# Altium PCB ESP32_Demo.PcbDoc (part 5 of 7) (continued)
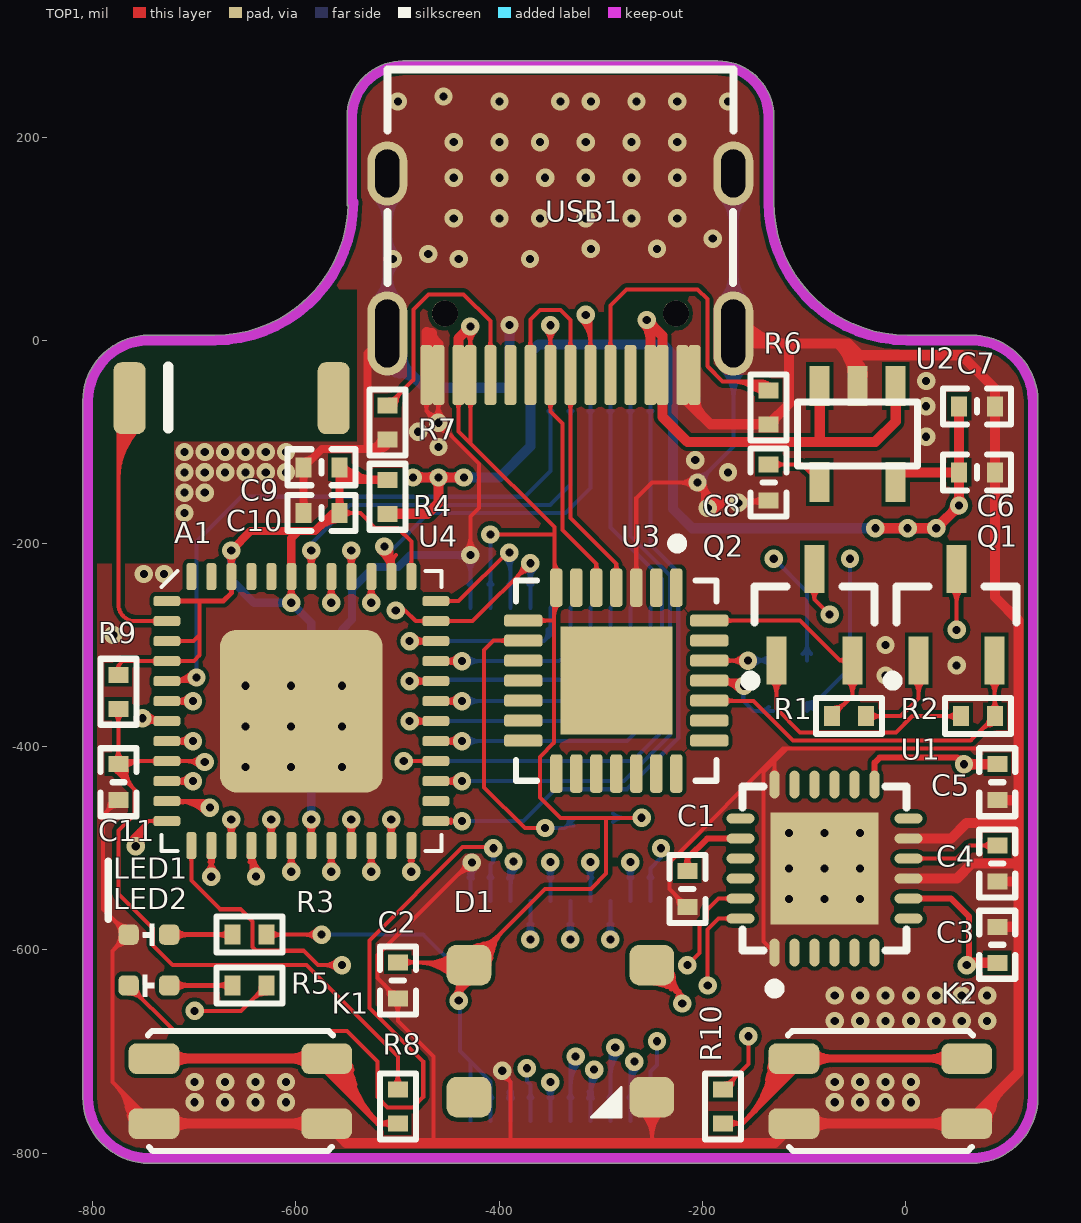
[diagram p0: TOP1 view]
## Nets (pads, with @x,y where several pads share a name; then routed paths per layer and width w, separated by ;. In a path a pad name is that pad's centre, name@x,y a point inside that pad or via, vN(x,y) a via of type N, cw(c..) or ccw(c..) an arc to the next point about the centre after c; other vN are vias at no path point) (continued)
  MidLayer3 w4: v1@-688.3,-532.95 cw(c-700.25,-544.9) -683.36,-544.9 cw(c-666.46,-544.9) v1@-678.41,-532.95 ; v1(-683.36,-528) -683.36,-548.54 -542.89,-689 -365.77,-689 -357.77,-681 -288.77,-681 -284.77,-685 ; v1@-287.93,-689.34 ccw(c-289.33,-685) -284.77,-685 ; v1(-285.77,-696) -284.77,-695 -284.77,-685 ; v1@-281.98,-690.11 cw(c-278.69,-685) -284.77,-685
  BOTTOM4 w4: P2.3@-290.56,-768.27 -290.56,-700.79 v1(-285.77,-696) ; -290.56,-724.46 cw(c-257.32,-724.46) v1@-280.82,-700.95 ; -290.56,-714.8 cw(c-266.97,-714.8) v1@-283.65,-698.12 ; -290.56,-705.14 cw(c-276.63,-705.14) v1@-286.48,-695.29 ; P2.3@-292.63,-745.53 ccw(c-297.61,-740.55) -290.56,-740.55 ; P2.3@-292.63,-745.53 ccw(c-297.61,-740.55) -290.56,-740.55 ; P2.3@-292.63,-745.53 ccw(c-297.61,-740.55) -290.56,-740.55 ; P2.3@-292.63,-745.53 ccw(c-297.61,-740.55) -290.56,-740.55 ; P2.3@-292.63,-745.53 ccw(c-297.61,-740.55) -290.56,-740.55 ; P2.3@-292.63,-745.53 ccw(c-297.61,-740.55) -290.56,-740.55 ; -290.56,-740.55 ccw(c-283.51,-740.55) P2.3@-288.49,-745.53 ; -290.56,-740.55 ccw(c-283.51,-740.55) P2.3@-288.49,-745.53 ; -290.56,-740.55 ccw(c-283.51,-740.55) P2.3@-288.49,-745.53 ; -290.56,-740.55 ccw(c-283.51,-740.55) P2.3@-288.49,-745.53 ; -290.56,-740.55 ccw(c-283.51,-740.55) P2.3@-288.49,-745.53 ; -290.56,-740.55 ccw(c-283.51,-740.55) P2.3@-288.49,-745.53
GPIO26: P2.1 U4.15 | length 942.7
  TOP1 w4: v1@-668.62,-476.54 cw(c-680.57,-488.49) -663.67,-488.49 cw(c-646.77,-488.49) v1@-658.72,-476.54 ; U4.15@-665.74,-486.95 ccw(c-670.72,-481.96) -663.67,-481.96 ccw(c-656.62,-481.96) U4.15@-661.6,-486.95 ; -665.28,-482.48 ccw(c-658.91,-480.78) U4.15@-662.21,-486.49 ; U4.15@-663.67,-497.38 v1(-663.67,-471.59) ; -662.06,-482.48 cw(c-668.43,-480.78) U4.15@-665.13,-486.49 ; U4.15@-665.13,-486.49 ccw(c-667.89,-481.7) -662.56,-483.13 ; U4.15@-665.13,-486.49 ccw(c-667.89,-481.7) -662.56,-483.13 ; U4.15@-665.13,-486.49 ccw(c-667.89,-481.7) -662.56,-483.13 ; U4.15@-665.13,-486.49 ccw(c-667.89,-481.7) -662.56,-483.13 ; U4.15@-665.13,-486.49 ccw(c-667.89,-481.7) -662.56,-483.13 ; U4.15@-665.13,-486.49 ccw(c-667.89,-481.7) -662.56,-483.13 ; U4.15@-665.13,-486.49 ccw(c-667.89,-481.7) -662.56,-483.13 ; U4.15@-665.13,-486.49 ccw(c-667.89,-481.7) -662.56,-483.13 ; U4.15@-665.13,-486.49 ccw(c-667.89,-481.7) -662.56,-483.13 ; -664.78,-483.13 ccw(c-659.45,-481.7) U4.15@-662.21,-486.49 ; -664.78,-483.13 ccw(c-659.45,-481.7) U4.15@-662.21,-486.49 ; -664.78,-483.13 ccw(c-659.45,-481.7) U4.15@-662.21,-486.49 ; -664.78,-483.13 ccw(c-659.45,-481.7) U4.15@-662.21,-486.49 ; -664.78,-483.13 ccw(c-659.45,-481.7) U4.15@-662.21,-486.49 ; -664.78,-483.13 ccw(c-659.45,-481.7) U4.15@-662.21,-486.49 ; -664.78,-483.13 ccw(c-659.45,-481.7) U4.15@-662.21,-486.49 ; -664.78,-483.13 ccw(c-659.45,-481.7) U4.15@-662.21,-486.49 ; -664.78,-483.13 ccw(c-659.45,-481.7) U4.15@-662.21,-486.49
  MidLayer3 w4: v1@-668.62,-476.54 cw(c-696.09,-504.02) -657.24,-504.02 ; v1@-665.79,-473.72 cw(c-686.44,-494.36) -657.24,-494.36 ; v1(-663.67,-471.59) -657.24,-478.02 -657.24,-552.02 -536.26,-673 -372.39,-673 -364.39,-665 -282.14,-665 -257.14,-690 ; v1@-662.96,-470.89 cw(c-676.78,-484.7) -657.24,-484.7 ; v1@-250.77,-693.61 ccw(c-257.14,-697.43) -257.14,-690 ; v1@-250.77,-686.39 cw(c-257.14,-682.57) -257.14,-690 ; v1(-244.77,-690) -257.14,-690
  BOTTOM4 w4: P2.1@-251.19,-768.27 -251.19,-719.73 -244.77,-713.31 v1(-244.77,-690) ; P2.1@-253.26,-745.53 ccw(c-258.24,-740.55) -251.19,-740.55 ; P2.1@-253.26,-745.53 ccw(c-258.24,-740.55) -251.19,-740.55 ; P2.1@-253.26,-745.53 ccw(c-258.24,-740.55) -251.19,-740.55 ; P2.1@-253.26,-745.53 ccw(c-258.24,-740.55) -251.19,-740.55 ; P2.1@-253.26,-745.53 ccw(c-258.24,-740.55) -251.19,-740.55 ; P2.1@-253.26,-745.53 ccw(c-258.24,-740.55) -251.19,-740.55 ; -251.19,-740.55 ccw(c-244.14,-740.55) P2.1@-249.12,-745.53 ; -251.19,-740.55 ccw(c-244.14,-740.55) P2.1@-249.12,-745.53 ; -251.19,-740.55 ccw(c-244.14,-740.55) P2.1@-249.12,-745.53 ; -251.19,-740.55 ccw(c-244.14,-740.55) P2.1@-249.12,-745.53 ; -251.19,-740.55 ccw(c-244.14,-740.55) P2.1@-249.12,-745.53 ; -251.19,-740.55 ccw(c-244.14,-740.55) P2.1@-249.12,-745.53
GPIO27: P2.20 U4.16 | length 1101.1
  TOP1 w4: -643.98,-519.08 ccw(c-630.71,-519.08) v1@-640.1,-528.47 ; U4.16@-643.98,-509.43 ccw(c-621.05,-509.43) v1@-637.27,-525.64 ; U4.16@-643.98,-499.77 ccw(c-611.39,-499.77) v1@-634.44,-522.82 ; U4.16@-643.98,-497.38 -643.98,-523.17 v1(-639.39,-527.77) ; -642.48,-515.03 cw(c-632.53,-512.36) U4.16@-641.46,-507.21 ; U4.16@-646.51,-507.21 cw(c-653.95,-511.5) -645.66,-513.72 ; U4.16@-646.51,-507.21 cw(c-653.95,-511.5) -645.66,-513.72 ; U4.16@-646.51,-507.21 cw(c-653.95,-511.5) -645.66,-513.72 ; U4.16@-646.51,-507.21 cw(c-653.95,-511.5) -645.66,-513.72 ; U4.16@-646.51,-507.21 cw(c-653.95,-511.5) -645.66,-513.72 ; U4.16@-646.51,-507.21 cw(c-653.95,-511.5) -645.66,-513.72 ; U4.16@-646.51,-507.21 cw(c-653.95,-511.5) -645.66,-513.72 ; U4.16@-646.51,-507.21 cw(c-653.95,-511.5) -645.66,-513.72 ; U4.16@-646.51,-507.21 cw(c-653.95,-511.5) -645.66,-513.72 ; U4.16@-646.05,-507.81 cw(c-651.04,-512.8) -643.98,-512.8 ; U4.16@-646.05,-507.81 cw(c-651.04,-512.8) -643.98,-512.8 ; U4.16@-646.05,-507.81 cw(c-651.04,-512.8) -643.98,-512.8 ; U4.16@-646.05,-507.81 cw(c-651.04,-512.8) -643.98,-512.8 ; U4.16@-646.05,-507.81 cw(c-651.04,-512.8) -643.98,-512.8 ; U4.16@-646.05,-507.81 cw(c-651.04,-512.8) -643.98,-512.8 ; U4.16@-645.45,-508.28 cw(c-648.21,-513.06) -642.87,-511.63 ; U4.16@-645.45,-508.28 cw(c-648.21,-513.06) -642.87,-511.63 ; U4.16@-645.45,-508.28 cw(c-648.21,-513.06) -642.87,-511.63 ; U4.16@-645.45,-508.28 cw(c-648.21,-513.06) -642.87,-511.63 ; U4.16@-645.45,-508.28 cw(c-648.21,-513.06) -642.87,-511.63 ; U4.16@-645.45,-508.28 cw(c-648.21,-513.06) -642.87,-511.63 ; U4.16@-645.45,-508.28 cw(c-648.21,-513.06) -642.87,-511.63 ; U4.16@-645.45,-508.28 cw(c-648.21,-513.06) -642.87,-511.63 ; U4.16@-645.45,-508.28 cw(c-648.21,-513.06) -642.87,-511.63 ; -645.1,-511.63 cw(c-639.76,-513.06) U4.16@-642.52,-508.28 ; -645.1,-511.63 cw(c-639.76,-513.06) U4.16@-642.52,-508.28 ; -645.1,-511.63 cw(c-639.76,-513.06) U4.16@-642.52,-508.28 ; -645.1,-511.63 cw(c-639.76,-513.06) U4.16@-642.52,-508.28 ; -645.1,-511.63 cw(c-639.76,-513.06) U4.16@-642.52,-508.28 ; -645.1,-511.63 cw(c-639.76,-513.06) U4.16@-642.52,-508.28 ; -645.1,-511.63 cw(c-639.76,-513.06) U4.16@-642.52,-508.28 ; -645.1,-511.63 cw(c-639.76,-513.06) U4.16@-642.52,-508.28 ; -645.1,-511.63 cw(c-639.76,-513.06) U4.16@-642.52,-508.28 ; -643.98,-512.8 cw(c-636.93,-512.8) U4.16@-641.92,-507.81 ; -643.98,-512.8 cw(c-636.93,-512.8) U4.16@-641.92,-507.81 ; -643.98,-512.8 cw(c-636.93,-512.8) U4.16@-641.92,-507.81 ; -643.98,-512.8 cw(c-636.93,-512.8) U4.16@-641.92,-507.81 ; -643.98,-512.8 cw(c-636.93,-512.8) U4.16@-641.92,-507.81 ; -642.31,-513.72 cw(c-634.02,-511.5) U4.16@-641.46,-507.21 ; -642.31,-513.72 cw(c-634.02,-511.5) U4.16@-641.46,-507.21 ; -642.31,-513.72 cw(c-634.02,-511.5) U4.16@-641.46,-507.21 ; -642.31,-513.72 cw(c-634.02,-511.5) U4.16@-641.46,-507.21 ; -642.31,-513.72 cw(c-634.02,-511.5) U4.16@-641.46,-507.21 ; -642.31,-513.72 cw(c-634.02,-511.5) U4.16@-641.46,-507.21 ; -642.31,-513.72 cw(c-634.02,-511.5) U4.16@-641.46,-507.21 ; -642.31,-513.72 cw(c-634.02,-511.5) U4.16@-641.46,-507.21
  MidLayer3 w4: v1@-644.34,-532.72 cw(c-656.29,-544.66) -639.39,-544.66 cw(c-622.49,-544.66) v1@-634.44,-532.72 ; v1(-639.39,-527.77) -639.39,-558.56 -628.64,-569.31 -553.04,-569.31 -521.36,-601 -466.25,-601 -422.25,-645 -308.46,-645 -240.77,-577.31 v1(-240.77,-499.98) ; v1@-245.72,-504.93 cw(c-257.67,-516.88) -240.77,-516.88 cw(c-223.87,-516.88) v1@-235.82,-504.93
  BOTTOM4 w4: P2.20@-251.19,-551.73 -251.19,-519.69 -240.77,-509.27 ; v1@-242.71,-506.7 cw(c-243.44,-509.27) -240.77,-509.27 ; v1(-240.77,-499.98) -240.77,-509.27 ; v1@-238.84,-506.7 ccw(c-238.1,-509.27) -240.77,-509.27 ; P2.20@-253.26,-529 ccw(c-258.24,-524.01) -251.19,-524.01 ; P2.20@-253.26,-529 ccw(c-258.24,-524.01) -251.19,-524.01 ; P2.20@-253.26,-529 ccw(c-258.24,-524.01) -251.19,-524.01 ; P2.20@-253.26,-529 ccw(c-258.24,-524.01) -251.19,-524.01 ; P2.20@-253.26,-529 ccw(c-258.24,-524.01) -251.19,-524.01 ; P2.20@-253.26,-529 ccw(c-258.24,-524.01) -251.19,-524.01 ; -251.19,-524.01 ccw(c-244.14,-524.01) P2.20@-249.12,-529 ; -251.19,-524.01 ccw(c-244.14,-524.01) P2.20@-249.12,-529 ; -251.19,-524.01 ccw(c-244.14,-524.01) P2.20@-249.12,-529 ; -251.19,-524.01 ccw(c-244.14,-524.01) P2.20@-249.12,-529 ; -251.19,-524.01 ccw(c-244.14,-524.01) P2.20@-249.12,-529 ; -251.19,-524.01 ccw(c-244.14,-524.01) P2.20@-249.12,-529
GPIO32: U1.24 U4.12 | length 1288.1
  TOP1 w4: v1@-762.57,-499.42 cw(c-751.07,-496.02) -759.55,-487.54 ; v1@-762.07,-492.48 ccw(c-765.74,-487.77) -759.77,-487.77 ; v1@-758.73,-498.28 cw(c-743.72,-493.85) -754.79,-482.79 ; v1(-757.77,-498) -759.77,-500 -759.77,-487.77 ; v1@-756.88,-491.06 cw(c-756.46,-487.77) -759.77,-487.77 ; v1@-754.9,-497.15 cw(c-736.38,-491.68) -750.03,-478.03 ; v1@-751.06,-496.02 cw(c-729.03,-489.51) -745.27,-473.27 ; U4.12@-727.15,-473.27 -745.27,-473.27 ; v1(-194.77,-635) -194.77,-580 -183.98,-569.21 U1.24@-162.45,-569.21 ; -759.77,-487.77 -745.27,-473.27 ; -742.57,-473.27 cw(c-742.57,-480.32) U4.12@-737.59,-475.33 ; -742.57,-473.27 ccw(c-742.57,-466.22) U4.12@-737.59,-471.2 ; -742.57,-473.27 cw(c-742.57,-480.32) U4.12@-737.59,-475.33 ; -742.57,-473.27 ccw(c-742.57,-466.22) U4.12@-737.59,-471.2 ; -742.57,-473.27 cw(c-742.57,-480.32) U4.12@-737.59,-475.33 ; -742.57,-473.27 ccw(c-742.57,-466.22) U4.12@-737.59,-471.2 ; -742.57,-473.27 cw(c-742.57,-480.32) U4.12@-737.59,-475.33 ; -742.57,-473.27 ccw(c-742.57,-466.22) U4.12@-737.59,-471.2 ; -742.57,-473.27 cw(c-742.57,-480.32) U4.12@-737.59,-475.33 ; -742.57,-473.27 ccw(c-742.57,-466.22) U4.12@-737.59,-471.2 ; -742.57,-473.27 ccw(c-742.57,-466.22) U4.12@-737.59,-471.2 ; -742.57,-473.27 cw(c-742.57,-480.32) U4.12@-737.59,-475.33 ; -178.36,-569.21 cw(c-178.36,-576.26) U1.24@-173.37,-571.28 ; -178.36,-569.21 ccw(c-178.36,-562.16) U1.24@-173.37,-567.15 ; -178.36,-569.21 cw(c-178.36,-576.26) U1.24@-173.37,-571.28 ; -178.36,-569.21 ccw(c-178.36,-562.16) U1.24@-173.37,-567.15 ; -178.36,-569.21 cw(c-178.36,-576.26) U1.24@-173.37,-571.28 ; -178.36,-569.21 ccw(c-178.36,-562.16) U1.24@-173.37,-567.15 ; -178.36,-569.21 cw(c-178.36,-576.26) U1.24@-173.37,-571.28 ; -178.36,-569.21 ccw(c-178.36,-562.16) U1.24@-173.37,-567.15 ; -178.36,-569.21 cw(c-178.36,-576.26) U1.24@-173.37,-571.28 ; -178.36,-569.21 ccw(c-178.36,-562.16) U1.24@-173.37,-567.15 ; -178.36,-569.21 ccw(c-178.36,-562.16) U1.24@-173.37,-567.15 ; -178.36,-569.21 cw(c-178.36,-576.26) U1.24@-173.37,-571.28
  MidLayer3 w4: v1@-762.72,-502.95 cw(c-769.84,-510.07) -759.77,-510.07 cw(c-745.7,-510.07) v1@-755.65,-500.12 ; -759.77,-519.73 cw(c-736.04,-519.73) v1@-752.82,-502.95 ; v1(-757.77,-498) -759.77,-500 -759.77,-528.69 -540.78,-747.68 -466.04,-747.68 -445.04,-768.68 -259.76,-768.68 -227.27,-736.19 -227.27,-676.5 -234.76,-669.01 -251.27,-669.01 -259.77,-660.51 -259.77,-645 -249.77,-635 v1(-194.77,-635) ; v1@-199.72,-639.95 ccw(c-211.67,-651.9) -211.67,-635 ccw(c-211.67,-618.1) v1@-199.72,-630.05
GPIO33: U1.23 U4.13 | length 942.5
  TOP1 w4: U4.13@-703.04,-497.38 -703.04,-531.73 -674.77,-560 -654.77,-560 -642.9,-571.88 -642.9,-597.33 -639.38,-600.85 -592.61,-600.85 -578.46,-615 v1(-554.77,-615) ; v1@-559.72,-619.95 ccw(c-571.67,-631.9) -571.67,-615 ccw(c-571.67,-598.1) v1@-559.72,-610.05 ; v1(-214.77,-615) -202.77,-603 -202.77,-576.69 -195.43,-569.34 -195.43,-560.66 -184.3,-549.53 U1.23@-162.45,-549.53 ; U4.13@-705.11,-507.81 cw(c-710.09,-512.8) -703.04,-512.8 ; U4.13@-705.11,-507.81 cw(c-710.09,-512.8) -703.04,-512.8 ; U4.13@-705.11,-507.81 cw(c-710.09,-512.8) -703.04,-512.8 ; U4.13@-705.11,-507.81 cw(c-710.09,-512.8) -703.04,-512.8 ; U4.13@-705.11,-507.81 cw(c-710.09,-512.8) -703.04,-512.8 ; U4.13@-705.11,-507.81 cw(c-710.09,-512.8) -703.04,-512.8 ; -703.04,-512.8 cw(c-695.99,-512.8) U4.13@-700.97,-507.81 ; -703.04,-512.8 cw(c-695.99,-512.8) U4.13@-700.97,-507.81 ; -703.04,-512.8 cw(c-695.99,-512.8) U4.13@-700.97,-507.81 ; -703.04,-512.8 cw(c-695.99,-512.8) U4.13@-700.97,-507.81 ; -703.04,-512.8 cw(c-695.99,-512.8) U4.13@-700.97,-507.81 ; -703.04,-512.8 cw(c-695.99,-512.8) U4.13@-700.97,-507.81 ; -178.36,-549.53 cw(c-178.36,-556.58) U1.23@-173.37,-551.59 ; -178.36,-549.53 ccw(c-178.36,-542.48) U1.23@-173.37,-547.46 ; -178.36,-549.53 cw(c-178.36,-556.58) U1.23@-173.37,-551.59 ; -178.36,-549.53 ccw(c-178.36,-542.48) U1.23@-173.37,-547.46 ; -178.36,-549.53 cw(c-178.36,-556.58) U1.23@-173.37,-551.59 ; -178.36,-549.53 ccw(c-178.36,-542.48) U1.23@-173.37,-547.46 ; -178.36,-549.53 cw(c-178.36,-556.58) U1.23@-173.37,-551.59 ; -178.36,-549.53 ccw(c-178.36,-542.48) U1.23@-173.37,-547.46 ; -178.36,-549.53 cw(c-178.36,-556.58) U1.23@-173.37,-551.59 ; -178.36,-549.53 ccw(c-178.36,-542.48) U1.23@-173.37,-547.46 ; -178.36,-549.53 ccw(c-178.36,-542.48) U1.23@-173.37,-547.46 ; -178.36,-549.53 cw(c-178.36,-556.58) U1.23@-173.37,-551.59
  MidLayer3 w4: v1@-559.72,-619.95 cw(c-571.67,-631.9) -554.77,-631.9 cw(c-537.87,-631.9) v1@-549.82,-619.95 ; v1(-554.77,-615) -554.77,-643.18 -532.95,-665 -375.71,-665 -367.71,-657 -294.77,-657 -252.77,-615 v1(-214.77,-615) ; v1@-219.72,-619.95 ccw(c-231.67,-631.9) -231.67,-615 ccw(c-231.67,-598.1) v1@-219.72,-610.05
GPIO34: P2.7 U4.10 | length 815.6
  TOP1 w4: U4.10@-727.15,-433.9 v1(-701.37,-433.9) ; U4.10@-716.72,-435.96 cw(c-711.74,-440.95) -711.74,-433.9 cw(c-711.74,-426.85) U4.10@-716.72,-431.83 ; -712.26,-435.51 cw(c-710.55,-429.14) U4.10@-716.26,-432.44 ; -712.26,-432.29 ccw(c-710.55,-438.65) U4.10@-716.26,-435.36 ; v1@-706.32,-438.85 ccw(c-718.27,-450.8) -718.27,-433.9 ccw(c-718.27,-417) v1@-706.32,-428.95 ; U4.10@-716.26,-435.36 cw(c-711.47,-438.12) -712.9,-432.78 ; U4.10@-716.26,-435.36 cw(c-711.47,-438.12) -712.9,-432.78 ; U4.10@-716.26,-435.36 cw(c-711.47,-438.12) -712.9,-432.78 ; U4.10@-716.26,-435.36 cw(c-711.47,-438.12) -712.9,-432.78 ; U4.10@-716.26,-435.36 cw(c-711.47,-438.12) -712.9,-432.78 ; U4.10@-716.26,-435.36 cw(c-711.47,-438.12) -712.9,-432.78 ; U4.10@-716.26,-435.36 cw(c-711.47,-438.12) -712.9,-432.78 ; U4.10@-716.26,-435.36 cw(c-711.47,-438.12) -712.9,-432.78 ; U4.10@-716.26,-435.36 cw(c-711.47,-438.12) -712.9,-432.78 ; U4.10@-716.26,-432.44 ccw(c-711.47,-429.67) -712.9,-435.01 ; U4.10@-716.26,-432.44 ccw(c-711.47,-429.67) -712.9,-435.01 ; U4.10@-716.26,-432.44 ccw(c-711.47,-429.67) -712.9,-435.01 ; U4.10@-716.26,-432.44 ccw(c-711.47,-429.67) -712.9,-435.01 ; U4.10@-716.26,-432.44 ccw(c-711.47,-429.67) -712.9,-435.01 ; U4.10@-716.26,-432.44 ccw(c-711.47,-429.67) -712.9,-435.01 ; U4.10@-716.26,-432.44 ccw(c-711.47,-429.67) -712.9,-435.01 ; U4.10@-716.26,-432.44 ccw(c-711.47,-429.67) -712.9,-435.01 ; U4.10@-716.26,-432.44 ccw(c-711.47,-429.67) -712.9,-435.01
  MidLayer3 w4: v1@-706.32,-438.85 cw(c-716.25,-448.78) -702.2,-448.78 ; -702.2,-452.81 cw(c-682.46,-452.81) v1@-696.42,-438.85 ; -702.2,-443.15 cw(c-692.11,-443.15) v1@-699.25,-436.02 ; v1(-701.37,-433.9) -702.2,-434.73 -702.2,-541 -546.2,-697 -392.28,-697 v1(-372.77,-716.51)
  BOTTOM4 w4: v1(-372.77,-716.51) -372.77,-729.28 -369.3,-732.75 P2.7@-369.3,-768.27 ; P2.7@-371.37,-745.53 ccw(c-376.35,-740.55) -369.3,-740.55 ; P2.7@-371.37,-745.53 ccw(c-376.35,-740.55) -369.3,-740.55 ; P2.7@-371.37,-745.53 ccw(c-376.35,-740.55) -369.3,-740.55 ; P2.7@-371.37,-745.53 ccw(c-376.35,-740.55) -369.3,-740.55 ; P2.7@-371.37,-745.53 ccw(c-376.35,-740.55) -369.3,-740.55 ; P2.7@-371.37,-745.53 ccw(c-376.35,-740.55) -369.3,-740.55 ; -369.3,-740.55 ccw(c-362.25,-740.55) P2.7@-367.23,-745.53 ; -369.3,-740.55 ccw(c-362.25,-740.55) P2.7@-367.23,-745.53 ; -369.3,-740.55 ccw(c-362.25,-740.55) P2.7@-367.23,-745.53 ; -369.3,-740.55 ccw(c-362.25,-740.55) P2.7@-367.23,-745.53 ; -369.3,-740.55 ccw(c-362.25,-740.55) P2.7@-367.23,-745.53 ; -369.3,-740.55 ccw(c-362.25,-740.55) P2.7@-367.23,-745.53
GPIO35: P2.2 U4.11 | length 1099.6
  TOP1 w4: U4.11@-727.15,-453.58 -691.19,-453.58 ; U4.11@-717.17,-456.01 cw(c-712.66,-462.8) -711.05,-454.81 ; U4.11@-717.16,-453.58 cw(c-717.16,-492.39) v1@-689.72,-464.95 ; -712.57,-454.51 cw(c-711.39,-448.66) U4.11@-716.36,-451.96 ; -707.51,-453.58 cw(c-707.51,-482.74) v1@-686.89,-462.12 ; -697.85,-453.58 cw(c-697.85,-473.08) v1@-684.07,-459.29 ; v1@-690.82,-456.47 ccw(c-692.87,-455.27) -691.19,-453.58 ; v1@-688.3,-453.96 cw(c-689.5,-451.9) -691.19,-453.58 ; v1(-684.77,-460) -691.19,-453.58 ; U4.11@-717.15,-456 cw(c-712.16,-463.33) -710.5,-454.62 ; U4.11@-717.15,-456 cw(c-712.16,-463.33) -710.5,-454.62 ; U4.11@-717.15,-456 cw(c-712.16,-463.33) -710.5,-454.62 ; U4.11@-717.15,-456 cw(c-712.16,-463.33) -710.5,-454.62 ; U4.11@-717.15,-456 cw(c-712.16,-463.33) -710.5,-454.62 ; U4.11@-717.15,-456 cw(c-712.16,-463.33) -710.5,-454.62 ; U4.11@-717.15,-456 cw(c-712.16,-463.33) -710.5,-454.62 ; U4.11@-717.15,-456 cw(c-712.16,-463.33) -710.5,-454.62 ; U4.11@-717.15,-456 cw(c-712.16,-463.33) -710.5,-454.62 ; U4.11@-716.72,-455.65 cw(c-711.74,-460.64) -711.74,-453.58 ; U4.11@-716.72,-455.65 cw(c-711.74,-460.64) -711.74,-453.58 ; U4.11@-716.72,-455.65 cw(c-711.74,-460.64) -711.74,-453.58 ; U4.11@-716.72,-455.65 cw(c-711.74,-460.64) -711.74,-453.58 ; U4.11@-716.72,-455.65 cw(c-711.74,-460.64) -711.74,-453.58 ; U4.11@-716.72,-455.65 cw(c-711.74,-460.64) -711.74,-453.58 ; U4.11@-716.72,-451.52 ccw(c-711.74,-446.53) -711.74,-453.58 ; U4.11@-716.72,-451.52 ccw(c-711.74,-446.53) -711.74,-453.58 ; U4.11@-716.72,-451.52 ccw(c-711.74,-446.53) -711.74,-453.58 ; U4.11@-716.72,-451.52 ccw(c-711.74,-446.53) -711.74,-453.58 ; U4.11@-716.72,-451.52 ccw(c-711.74,-446.53) -711.74,-453.58 ; U4.11@-716.72,-451.52 ccw(c-711.74,-446.53) -711.74,-453.58 ; U4.11@-716.37,-451.94 ccw(c-712.04,-448.99) -713.02,-454.14 ; U4.11@-716.37,-451.94 ccw(c-712.04,-448.99) -713.02,-454.14 ; U4.11@-716.37,-451.94 ccw(c-712.04,-448.99) -713.02,-454.14 ; U4.11@-716.37,-451.94 ccw(c-712.04,-448.99) -713.02,-454.14 ; U4.11@-716.37,-451.94 ccw(c-712.04,-448.99) -713.02,-454.14 ; U4.11@-716.37,-451.94 ccw(c-712.04,-448.99) -713.02,-454.14 ; U4.11@-716.37,-451.94 ccw(c-712.04,-448.99) -713.02,-454.14 ; U4.11@-716.37,-451.94 ccw(c-712.04,-448.99) -713.02,-454.14 ; U4.11@-716.37,-451.94 ccw(c-712.04,-448.99) -713.02,-454.14
  MidLayer3 w4: v1@-689.72,-464.95 cw(c-701.67,-476.9) -684.77,-476.9 cw(c-667.87,-476.9) v1@-679.82,-464.95 ; v1(-684.77,-460) -684.77,-490 -667,-507.77 -667,-553.58 -539.58,-681 -369.08,-681 -361.08,-673 -285.46,-673 -267,-691.46 v1(-267,-710) ; v1@-271.95,-705.05 ccw(c-283.9,-693.1) -267,-693.1 ccw(c-250.1,-693.1) v1@-262.05,-705.05
  BOTTOM4 w4: P2.2@-270.87,-768.27 -270.87,-713.87 v1(-267,-710) ; -270.87,-736.25 cw(c-240.75,-736.25) v1@-262.05,-714.95 ; -270.87,-726.6 cw(c-250.4,-726.6) v1@-264.88,-712.12 ; P2.2@-272.94,-745.53 ccw(c-277.93,-740.55) -270.87,-740.55 ; P2.2@-272.94,-745.53 ccw(c-277.93,-740.55) -270.87,-740.55 ; P2.2@-272.94,-745.53 ccw(c-277.93,-740.55) -270.87,-740.55 ; P2.2@-272.94,-745.53 ccw(c-277.93,-740.55) -270.87,-740.55 ; P2.2@-272.94,-745.53 ccw(c-277.93,-740.55) -270.87,-740.55 ; P2.2@-272.94,-745.53 ccw(c-277.93,-740.55) -270.87,-740.55 ; -270.87,-740.55 ccw(c-263.82,-740.55) P2.2@-268.81,-745.53 ; -270.87,-740.55 ccw(c-263.82,-740.55) P2.2@-268.81,-745.53 ; -270.87,-740.55 ccw(c-263.82,-740.55) P2.2@-268.81,-745.53 ; -270.87,-740.55 ccw(c-263.82,-740.55) P2.2@-268.81,-745.53 ; -270.87,-740.55 ccw(c-263.82,-740.55) P2.2@-268.81,-745.53 ; -270.87,-740.55 ccw(c-263.82,-740.55) P2.2@-268.81,-745.53
GPIO37: P2.4 U4.6 | length 1346.5
  TOP1 w4: U4.6@-727.15,-355.16 v1(-701.37,-355.16) ; U4.6@-716.72,-357.22 cw(c-711.74,-362.21) -711.74,-355.16 cw(c-711.74,-348.11) U4.6@-716.72,-353.09 ; -712.26,-356.77 cw(c-710.55,-350.4) U4.6@-716.26,-353.7 ; -712.26,-353.55 ccw(c-710.55,-359.91) U4.6@-716.26,-356.62 ; v1@-706.32,-360.11 ccw(c-718.27,-372.06) -718.27,-355.16 ccw(c-718.27,-338.26) v1@-706.32,-350.21 ; U4.6@-716.26,-356.62 cw(c-711.47,-359.38) -712.9,-354.04 ; U4.6@-716.26,-356.62 cw(c-711.47,-359.38) -712.9,-354.04 ; U4.6@-716.26,-356.62 cw(c-711.47,-359.38) -712.9,-354.04 ; U4.6@-716.26,-356.62 cw(c-711.47,-359.38) -712.9,-354.04 ; U4.6@-716.26,-356.62 cw(c-711.47,-359.38) -712.9,-354.04 ; U4.6@-716.26,-356.62 cw(c-711.47,-359.38) -712.9,-354.04 ; U4.6@-716.26,-356.62 cw(c-711.47,-359.38) -712.9,-354.04 ; U4.6@-716.26,-356.62 cw(c-711.47,-359.38) -712.9,-354.04 ; U4.6@-716.26,-356.62 cw(c-711.47,-359.38) -712.9,-354.04 ; U4.6@-716.26,-353.7 ccw(c-711.47,-350.93) -712.9,-356.27 ; U4.6@-716.26,-353.7 ccw(c-711.47,-350.93) -712.9,-356.27 ; U4.6@-716.26,-353.7 ccw(c-711.47,-350.93) -712.9,-356.27 ; U4.6@-716.26,-353.7 ccw(c-711.47,-350.93) -712.9,-356.27 ; U4.6@-716.26,-353.7 ccw(c-711.47,-350.93) -712.9,-356.27 ; U4.6@-716.26,-353.7 ccw(c-711.47,-350.93) -712.9,-356.27 ; U4.6@-716.26,-353.7 ccw(c-711.47,-350.93) -712.9,-356.27 ; U4.6@-716.26,-353.7 ccw(c-711.47,-350.93) -712.9,-356.27 ; U4.6@-716.26,-353.7 ccw(c-711.47,-350.93) -712.9,-356.27
  MidLayer3 w4: v1@-706.32,-360.11 ccw(c-718.27,-372.06) -718.27,-355.16 ccw(c-718.27,-338.26) v1@-706.32,-350.21 ; v1(-701.37,-355.16) -763.37,-355.16 -774,-365.79 -774,-380.77 -737.77,-417 -737.77,-539.37 -537.47,-739.68 -462.72,-739.68 -441.72,-760.68 -340.74,-760.68 -306.55,-726.48 v1(-306.55,-717.89) ; -324.57,-744.51 ccw(c-351.19,-717.89) v1@-313.55,-717.89 ; -317.74,-737.68 ccw(c-337.53,-717.89) v1@-309.55,-717.89 ; -310.92,-730.85 ccw(c-323.88,-717.89) v1@-305.55,-717.89
  BOTTOM4 w4: P2.4@-311.8,-745.13 ccw(c-314,-741.64) -309.98,-742.55 ; P2.4@-310.24,-768.27 -310.24,-721.58 v1(-306.55,-717.89) ; P2.4@-310.24,-743.71 cw(c-280.72,-743.71) v1@-301.6,-722.84 ; -310.24,-734.06 cw(c-290.38,-734.06) v1@-304.43,-720.01 ; -309.07,-738.51 ccw(c-299.33,-740.71) P2.4@-307.77,-746.04 ; P2.4@-312.77,-746.14 ccw(c-320.2,-741.85) -311.92,-739.63 ; P2.4@-312.77,-746.14 ccw(c-320.2,-741.85) -311.92,-739.63 ; P2.4@-312.77,-746.14 ccw(c-320.2,-741.85) -311.92,-739.63 ; P2.4@-312.77,-746.14 ccw(c-320.2,-741.85) -311.92,-739.63 ; P2.4@-312.77,-746.14 ccw(c-320.2,-741.85) -311.92,-739.63 ; P2.4@-312.77,-746.14 ccw(c-320.2,-741.85) -311.92,-739.63 ; P2.4@-312.77,-746.14 ccw(c-320.2,-741.85) -311.92,-739.63 ; P2.4@-312.77,-746.14 ccw(c-320.2,-741.85) -311.92,-739.63 ; P2.4@-312.31,-745.53 ccw(c-317.3,-740.55) -310.24,-740.55 ; P2.4@-312.31,-745.53 ccw(c-317.3,-740.55) -310.24,-740.55 ; P2.4@-312.31,-745.53 ccw(c-317.3,-740.55) -310.24,-740.55 ; P2.4@-312.31,-745.53 ccw(c-317.3,-740.55) -310.24,-740.55 ; P2.4@-311.71,-745.07 ccw(c-314.47,-740.28) -309.13,-741.71 ; P2.4@-311.71,-745.07 ccw(c-314.47,-740.28) -309.13,-741.71 ; P2.4@-311.71,-745.07 ccw(c-314.47,-740.28) -309.13,-741.71 ; P2.4@-311.71,-745.07 ccw(c-314.47,-740.28) -309.13,-741.71 ; P2.4@-311.71,-745.07 ccw(c-314.47,-740.28) -309.13,-741.71 ; P2.4@-311.71,-745.07 ccw(c-314.47,-740.28) -309.13,-741.71 ; P2.4@-311.71,-745.07 ccw(c-314.47,-740.28) -309.13,-741.71 ; P2.4@-311.71,-745.07 ccw(c-314.47,-740.28) -309.13,-741.71 ; P2.4@-311.71,-745.07 ccw(c-314.47,-740.28) -309.13,-741.71 ; -311.36,-741.71 ccw(c-306.02,-740.28) P2.4@-308.78,-745.07 ; -311.36,-741.71 ccw(c-306.02,-740.28) P2.4@-308.78,-745.07 ; -311.36,-741.71 ccw(c-306.02,-740.28) P2.4@-308.78,-745.07 ; -311.36,-741.71 ccw(c-306.02,-740.28) P2.4@-308.78,-745.07 ; -311.36,-741.71 ccw(c-306.02,-740.28) P2.4@-308.78,-745.07 ; -311.36,-741.71 ccw(c-306.02,-740.28) P2.4@-308.78,-745.07 ; -311.36,-741.71 ccw(c-306.02,-740.28) P2.4@-308.78,-745.07 ; -310.24,-740.55 ccw(c-303.19,-740.55) P2.4@-308.18,-745.53 ; -310.24,-740.55 ccw(c-303.19,-740.55) P2.4@-308.18,-745.53 ; -310.24,-740.55 ccw(c-303.19,-740.55) P2.4@-308.18,-745.53 ; -308.57,-739.63 ccw(c-300.28,-741.85) P2.4@-307.71,-746.14 ; -308.57,-739.63 ccw(c-300.28,-741.85) P2.4@-307.71,-746.14 ; -308.57,-739.63 ccw(c-300.28,-741.85) P2.4@-307.71,-746.14 ; -308.57,-739.63 ccw(c-300.28,-741.85) P2.4@-307.71,-746.14